# Altium PCB PCB-Tester-Board-V1.PcbDoc (part 6 of 7) (continued)
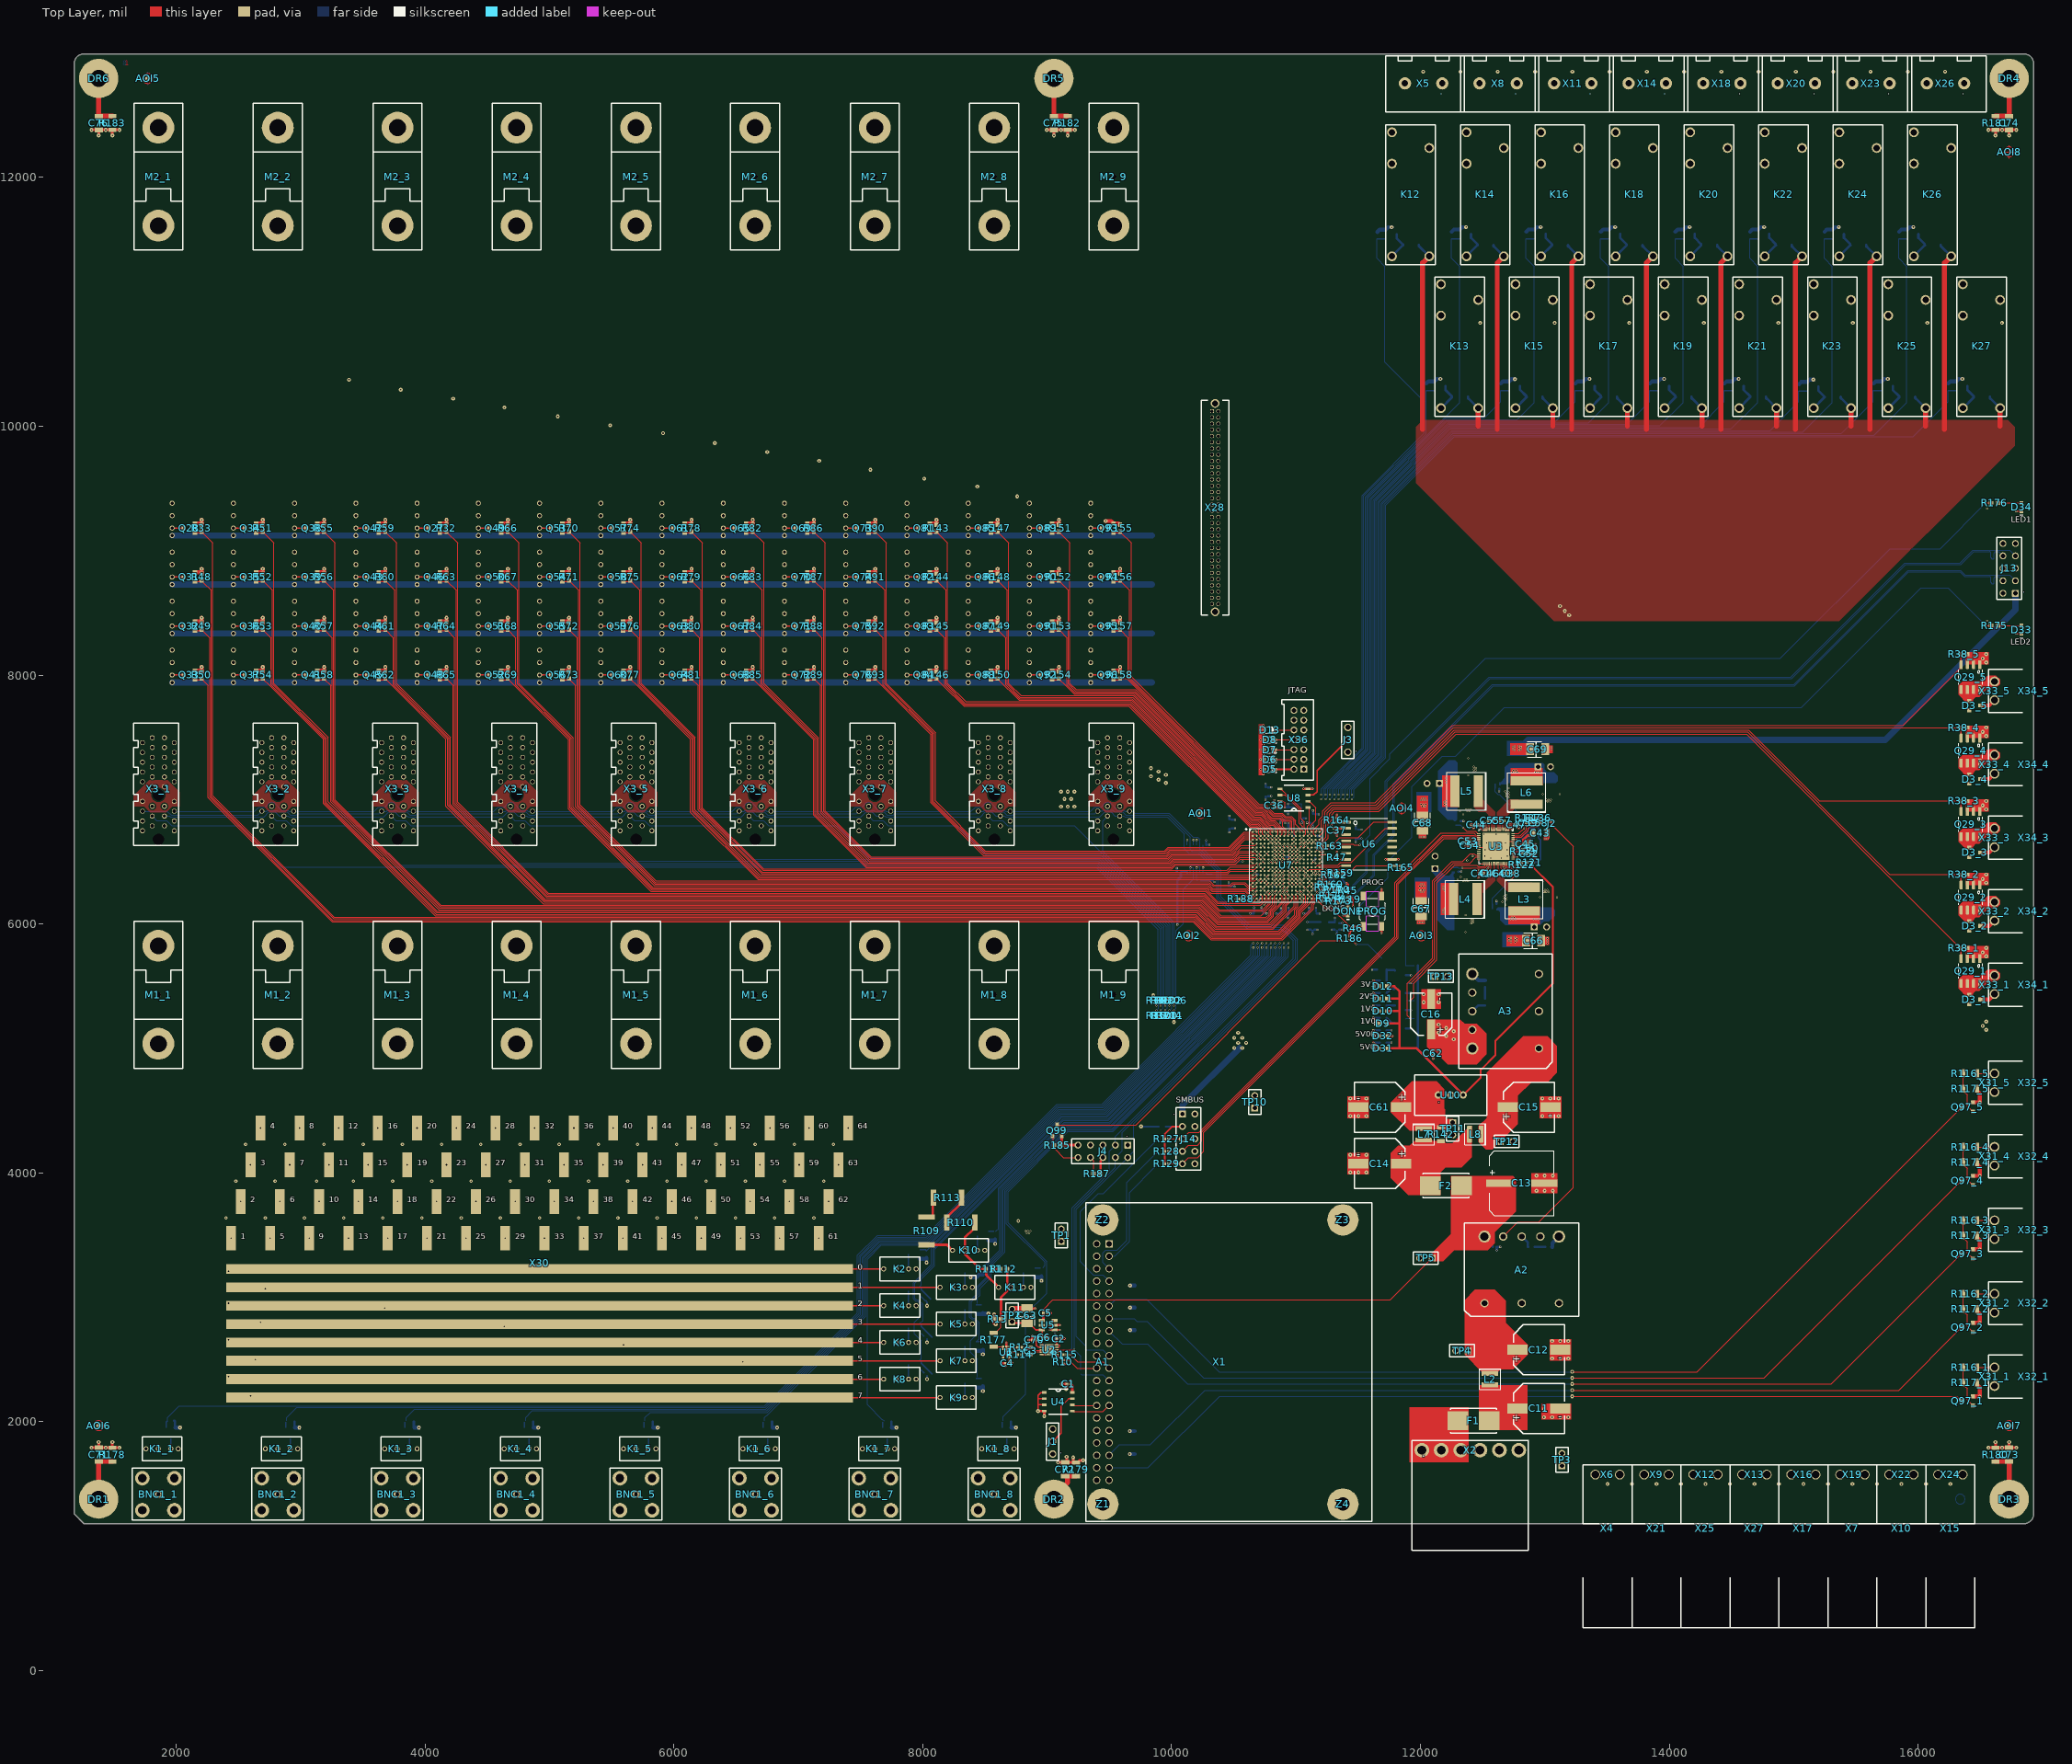
[diagram p0: Top Layer view]
## Nets (pads, with @x,y where several pads share a name; then routed paths per layer and width w, separated by ;. In a path a pad name is that pad's centre, name@x,y a point inside that pad or via, vN(x,y) a via of type N, cw(c..) or ccw(c..) an arc to the next point about the centre after c; other vN are vias at no path point) (continued)
  Inner3 w8: v2(3700.79,3474.41) 3700.79,4250.97 4101.71,4651.89 4101.71,7582.88 3815.52,7869.07 3815.52,9160.48 K44.3@3937.01,9281.97
NetK44_4: K44.4 X28.17 | length 6917.4
  Inner3 w8: K44.4@3937.01,9381.97 3987.06,9432.02 4745.19,10190.16 9681.4,10190.16 10150.1,9721.46 X28.17@10325.51,9721.46
NetK45_2: K45.2 Q46.3 | length 92.5
  Top Layer w10: K45.2@3937.01,8788.27 Q46.3@4029.53,8788.27
NetK45_3: K45.3 X30.18 | length 5420.9
  Inner4 w8: v2(3779.53,3769.68) 3779.53,4304.45 4119.57,4644.5 4119.57,7590.28 3833.38,7876.47 3833.38,8784.64 K45.3@3937.01,8888.27
NetK45_4: K45.4 X28.18 | length 7352.2
  Inner4 w5: 10301,9696.46 10350.51,9696.46 X28.18@10375.51,9721.46
  Inner4 w8: K45.4@3937.01,8988.27 4004.92,9056.18 4004.92,9424.62 4752.59,10172.3 9674,10172.3 10149.84,9696.46 10301,9696.46
NetK46_2: K46.2 Q47.3 | length 92.5
  Top Layer w10: K46.2@3937.01,8394.57 Q47.3@4029.53,8394.57
NetK46_3: K46.3 X30.19 | length 4699.3
  Inner3 w8: v2(3858.27,4064.96) 3858.27,4357.94 4137.43,4637.1 4137.43,7597.67 ; K46.3@3937.01,8494.57 3851.24,8408.8 3851.24,7883.87 4137.43,7597.68
NetK46_4: K46.4 X28.19 | length 7666.3
  Inner3 w8: K46.4@3937.01,8594.57 4022.78,8680.34 4022.78,9417.22 4759.99,10154.43 9666.6,10154.43 10149.58,9671.46 X28.19@10325.51,9671.46
NetK47_2: K47.2 Q48.3 | length 92.5
  Top Layer w10: K47.2@3937.01,8000.87 Q48.3@4029.53,8000.87
NetK47_3: K47.3 X30.20 | length 3977.7
  Inner4 w8: v2(3937.01,4360.24) 3937.01,4411.42 4155.29,4629.7 4155.29,7605.07 3869.1,7891.27 3869.1,8032.96 K47.3@3937.01,8100.87
NetK47_4: K47.4 X28.20 | length 8101.2
  Inner4 w5: 10301,9646.46 10350.51,9646.46 X28.20@10375.51,9671.46
  Inner4 w8: K47.4@3937.01,8200.87 4040.64,8304.5 4040.64,9409.82 4767.39,10136.57 9659.2,10136.57 10149.32,9646.46 10301,9646.46
NetK48_2: K48.2 Q49.3 | length 92.5
  Top Layer w10: K48.2@4429.13,9181.97 Q49.3@4521.65,9181.97
NetK48_3: K48.3 X30.21 | length 5978.8
  Inner3 w8: v2(4015.75,3474.41) 4015.75,4249.94 4307.64,4541.84 4307.64,9160.48 K48.3@4429.13,9281.97
NetK48_4: K48.4 X28.21 | length 6407.5
  Inner3 w8: K48.4@4429.13,9381.97 4479.18,9432.02 5165.88,10118.71 9651.81,10118.71 10149.06,9621.46 X28.21@10325.51,9621.46
NetK49_2: K49.2 Q50.3 | length 92.5
  Top Layer w10: K49.2@4429.13,8788.27 Q50.3@4521.65,8788.27
NetK49_3: K49.3 X30.22 | length 5257.2
  Inner4 w8: v2(4094.49,3769.68) 4094.49,4303.43 4325.5,4534.44 4325.5,8784.64 K49.3@4429.13,8888.27
NetK49_4: K49.4 X28.22 | length 6842.3
  Inner4 w5: 10301,9596.46 10350.51,9596.46 X28.22@10375.51,9621.46
  Inner4 w8: K49.4@4429.13,8988.27 4497.04,9056.18 4497.04,9424.62 5173.28,10100.85 9644.41,10100.85 10148.8,9596.46 10301,9596.46
NetK50_2: K50.2 Q51.3 | length 92.5
  Top Layer w10: K50.2@4429.13,8394.57 Q51.3@4521.65,8394.57
NetK50_3: K50.3 X30.23 | length 4535.6
  Inner3 w8: v2(4173.23,4064.96) 4173.23,4356.91 4343.36,4527.04 4343.36,8408.8 K50.3@4429.13,8494.57
NetK50_4: K50.4 X28.23 | length 7156.4
  Inner3 w8: K50.4@4429.13,8594.57 4514.9,8680.34 4514.9,9417.22 5180.67,10082.99 9637.01,10082.99 10148.55,9571.46 X28.23@10325.51,9571.46
NetK51_2: K51.2 Q52.3 | length 92.5
  Top Layer w10: K51.2@4429.13,8000.87 Q52.3@4521.65,8000.87
NetK51_3: K51.3 X30.24 | length 3814
  Inner4 w8: v2(4251.97,4360.24) 4251.97,4410.39 4361.22,4519.64 4361.23,8032.96 K51.3@4429.13,8100.87
NetK51_4: K51.4 X28.24 | length 7591.3
  Inner4 w5: 10301,9546.46 10350.51,9546.46 X28.24@10375.51,9571.46
  Inner4 w8: K51.4@4429.13,8200.87 4532.76,8304.5 4532.76,9409.82 5188.07,10065.13 9629.61,10065.13 10148.29,9546.46 10301,9546.46
NetK52_2: K52.2 Q53.3 | length 92.5
  Top Layer w10: K52.2@4921.26,9181.97 Q53.3@5013.78,9181.97
NetK52_3: K52.3 X30.25 | length 6052.2
  Inner3 w8: v2(4330.71,3474.41) 4330.71,4307.05 4452.32,4428.66 4452.32,7707.7 4799.77,8055.15 4799.77,9160.48 K52.3@4921.26,9281.97
NetK52_4: K52.4 X28.25 | length 5897.6
  Inner3 w8: K52.4@4921.26,9381.97 4971.31,9432.02 5586.56,10047.27 9622.21,10047.27 10148.03,9521.46 X28.25@10325.51,9521.46
NetK53_2: K53.2 Q54.3 | length 92.5
  Top Layer w10: K53.2@4921.26,8788.27 Q54.3@5013.78,8788.27
NetK53_3: K53.3 X30.26 | length 5330.6
  Inner4 w8: v2(4409.45,3769.68) 4409.45,4360.53 4470.18,4421.26 4470.18,7700.3 4817.63,8047.75 4817.63,8784.64 K53.3@4921.26,8888.27
NetK53_4: K53.4 X28.26 | length 6332.4
  Inner4 w5: 10301,9496.46 10350.51,9496.46 X28.26@10375.51,9521.46
  Inner4 w8: K53.4@4921.26,8988.27 4989.17,9056.18 4989.17,9424.62 5593.96,10029.41 9614.82,10029.41 10147.77,9496.46 10301,9496.46
NetK54_2: K54.2 Q55.3 | length 92.5
  Top Layer w10: K54.2@4921.26,8394.57 Q55.3@5013.78,8394.57
NetK54_3: K54.3 X30.27 | length 4609.1
  Inner3 w8: v2(4488.19,4064.96) 4488.04,4065.11 4488.04,7692.9 4835.49,8040.36 4835.49,8408.8 K54.3@4921.26,8494.57
NetK54_4: K54.4 X28.27 | length 6646.6
  Inner3 w8: K54.4@4921.26,8594.57 5007.03,8680.34 5007.03,9417.22 5601.36,10011.55 9607.42,10011.55 10147.51,9471.46 X28.27@10325.51,9471.46
NetK55_2: K55.2 Q56.3 | length 92.5
  Top Layer w10: K55.2@4921.26,8000.87 Q56.3@5013.78,8000.87
NetK55_3: K55.3 X30.28 | length 3938
  Inner4 w8: v2(4566.93,4360.24) 4505.9,4421.26 4505.9,4626.97 4505.9,7685.51 4853.35,8032.96 K55.3@4921.26,8100.87
NetK55_4: K55.4 X28.28 | length 7081.4
  Inner4 w5: 10301,9446.46 10350.51,9446.46 X28.28@10375.51,9471.46
  Inner4 w8: K55.4@4921.26,8200.87 5024.89,8304.5 5024.89,9409.82 5608.76,9993.69 9600.02,9993.69 10147.25,9446.46 10301,9446.46
NetK56_2: K56.2 Q57.3 | length 92.5
  Top Layer w10: K56.2@5413.39,9181.97 Q57.3@5505.91,9181.97
NetK56_3: K56.3 X30.29 | length 6125.6
  Inner3 w8: v2(4645.67,3474.41) 4645.67,4256.88 4989.17,4600.38 4989.17,7752.43 5291.9,8055.15 5291.9,9160.48 K56.3@5413.39,9281.97
NetK56_4: K56.4 X28.29 | length 5387.7
  Inner3 w8: K56.4@5413.39,9381.97 5463.43,9432.02 6007.25,9975.83 9592.62,9975.83 10146.99,9421.46 X28.29@10325.51,9421.46
NetK57_2: K57.2 Q58.3 | length 92.5
  Top Layer w10: K57.2@5413.39,8788.27 Q58.3@5505.91,8788.27
NetK57_3: K57.3 X30.30 | length 5404
  Inner4 w8: v2(4724.41,3769.68) 4724.41,4310.36 5007.03,4592.98 5007.03,7745.03 5309.76,8047.75 5309.76,8784.64 K57.3@5413.39,8888.27
NetK57_4: K57.4 X28.30 | length 5822.6
  Inner4 w5: 10301,9396.46 10350.51,9396.46 X28.30@10375.51,9421.46
  Inner4 w8: K57.4@5413.39,8988.27 5481.29,9056.18 5481.29,9424.62 6014.64,9957.97 9585.22,9957.97 10146.73,9396.46 10301,9396.46
NetK58_2: K58.2 Q59.3 | length 92.5
  Top Layer w10: K58.2@5413.39,8394.57 Q59.3@5505.91,8394.57
NetK58_3: K58.3 X30.31 | length 4682.4
  Inner3 w8: v2(4803.15,4064.96) 4803.15,4363.84 5024.89,4585.59 5024.89,7737.63 5327.62,8040.36 5327.62,8408.8 K58.3@5413.39,8494.57
NetK58_4: K58.4 X28.31 | length 6136.7
  Inner3 w8: K58.4@5413.39,8594.57 5499.16,8680.34 5499.16,9417.22 6022.04,9940.11 9577.83,9940.11 10146.48,9371.46 X28.31@10325.51,9371.46
NetK59_2: K59.2 Q60.3 | length 92.5
  Top Layer w10: K59.2@5413.39,8000.87 Q60.3@5505.91,8000.87
NetK59_3: K59.3 X30.32 | length 3960.8
  Inner4 w8: v2(4881.89,4360.24) 4881.89,4417.32 5042.75,4578.19 5042.75,7730.23 5345.48,8032.96 K59.3@5413.39,8100.87
NetK59_4: K59.4 X28.32 | length 6571.5
  Inner4 w5: 10301,9346.46 10350.51,9346.46 X28.32@10375.51,9371.46
  Inner4 w8: K59.4@5413.39,8200.87 5517.02,8304.5 5517.02,9409.82 6029.44,9922.25 9570.43,9922.25 10146.22,9346.46 10301,9346.46
NetK60_2: K60.2 Q61.3 | length 92.5
  Top Layer w10: K60.2@5905.51,9181.97 Q61.3@5998.03,9181.97
NetK60_3: K60.3 X30.33 | length 6198.9
  Inner3 w8: v2(4960.63,3474.41) 4960.63,4253.41 5143.27,4436.04 5143.27,7414.4 5784.02,8055.15 5784.02,9160.48 K60.3@5905.51,9281.97
NetK60_4: K60.4 X28.33 | length 4877.9
  Inner3 w8: K60.4@5905.51,9381.97 6427.93,9904.39 9563.03,9904.39 10145.96,9321.46 X28.33@10325.51,9321.46
NetK61_2: K61.2 Q62.3 | length 92.5
  Top Layer w10: K61.2@5905.51,8788.27 Q62.3@5998.03,8788.27
NetK61_3: K61.3 X30.34 | length 5477.4
  Inner4 w8: v2(5039.37,3769.68) 5039.37,4306.89 5161.13,4428.65 5161.13,7407 5801.88,8047.75 5801.88,8784.64 K61.3@5905.51,8888.27
NetK61_4: K61.4 X28.34 | length 5312.7
  Inner4 w5: 10301,9296.46 10350.51,9296.46 X28.34@10375.51,9321.46
  Inner4 w8: K61.4@5905.51,8988.27 5973.42,9056.18 5973.42,9424.62 6435.33,9886.53 9555.63,9886.53 10145.7,9296.46 10301,9296.46
NetK62_2: K62.2 Q63.3 | length 92.5
  Top Layer w10: K62.2@5905.51,8394.57 Q63.3@5998.03,8394.57
NetK62_3: K62.3 X30.35 | length 4755.8
  Inner3 w8: v2(5118.11,4064.96) 5118.11,4360.37 5178.99,4421.25 5178.99,7399.6 5819.74,8040.36 5819.74,8408.8 K62.3@5905.51,8494.57
NetK62_4: K62.4 X28.35 | length 5626.8
  Inner3 w8: K62.4@5905.51,8594.57 5991.28,8680.34 5991.28,9417.22 6442.73,9868.67 9548.23,9868.67 10145.44,9271.46 X28.35@10325.51,9271.46
NetK63_2: K63.2 Q64.3 | length 92.5
  Top Layer w10: K63.2@5905.51,8000.87 Q64.3@5998.03,8000.87
NetK63_3: K63.3 X30.36 | length 4034.2
  Inner4 w8: v2(5196.85,4360.24) 5196.85,4758.18 5196.85,7392.2 5837.6,8032.96 K63.3@5905.51,8100.87
NetK63_4: K63.4 X28.36 | length 6061.6
  Inner4 w5: 10301,9246.46 10350.51,9246.46 X28.36@10375.51,9271.46
  Inner4 w8: K63.4@5905.51,8200.87 6009.14,8304.5 6009.14,9409.82 6450.12,9850.81 9540.83,9850.81 10145.18,9246.46 10301,9246.46
NetK64_2: K64.2 Q65.3 | length 92.5
  Top Layer w10: K64.2@6397.64,9181.97 Q65.3@6490.16,9181.97
NetK64_3: K64.3 X30.37 | length 6272.3
  Inner3 w8: v2(5275.59,3474.41) 5275.59,4419.29 5336.47,4480.17 5336.47,5974.92 6039.83,6678.28 6039.83,7818.83 6276.15,8055.15 6276.15,9160.48 K64.3@6397.64,9281.97
NetK64_4: K64.4 X28.37 | length 4368
  Inner3 w8: K64.4@6397.64,9381.97 6848.61,9832.94 9533.44,9832.94 10144.92,9221.46 X28.37@10325.51,9221.46
NetK65_2: K65.2 Q66.3 | length 92.5
  Top Layer w10: K65.2@6397.64,8788.27 Q66.3@6490.16,8788.27
NetK65_3: K65.3 X30.38 | length 5550.7
  Inner4 w8: v2(5354.33,3769.68) 5354.33,5967.52 6057.69,6670.88 6057.69,7811.43 6294.01,8047.75 6294.01,8784.64 K65.3@6397.64,8888.27
NetK65_4: K65.4 X28.38 | length 4802.8
  Inner4 w5: 10301,9196.46 10350.51,9196.46 X28.38@10375.51,9221.46
  Inner4 w8: K65.4@6397.64,8988.27 6465.55,9056.18 6465.55,9424.62 6856.01,9815.08 9526.04,9815.08 10144.67,9196.46 10301,9196.46
NetK66_2: K66.2 Q67.3 | length 92.5
  Top Layer w10: K66.2@6397.64,8394.57 Q67.3@6490.16,8394.57
NetK66_3: K66.3 X30.39 | length 4879.6
  Inner3 w8: v2(5433.07,4064.96) 5433.07,4413.72 5372.19,4474.6 5372.19,5960.12 6075.55,6663.48 6075.55,7804.04 6311.87,8040.36 6311.87,8408.8 K66.3@6397.64,8494.57
NetK66_4: K66.4 X28.39 | length 5116.9
  Inner3 w8: K66.4@6397.64,8594.57 6483.41,8680.34 6483.41,9417.22 6863.41,9797.22 9518.64,9797.22 10144.41,9171.46 X28.39@10325.51,9171.46
NetK67_2: K67.2 Q68.3 | length 92.5
  Top Layer w10: K67.2@6397.64,8000.87 Q68.3@6490.16,8000.87
NetK67_3: K67.3 X30.40 | length 4208.4
  Inner4 w8: v2(5511.81,4360.24) 5390.05,4482 5390.05,5952.73 6093.41,6656.08 6093.41,7796.64 K67.3@6397.64,8100.87
NetK67_4: K67.4 X28.40 | length 5551.7
  Inner4 w5: 10301,9146.46 10350.51,9146.46 X28.40@10375.51,9171.46
  Inner4 w8: K67.4@6397.64,8200.87 6501.27,8304.5 6501.27,9409.82 6870.81,9779.36 9511.24,9779.36 10144.15,9146.46 10301,9146.46
NetK68_2: K68.2 Q69.3 | length 92.5
  Top Layer w10: K68.2@6889.76,9181.97 Q69.3@6982.28,9181.97
NetK68_3: K68.3 X30.41 | length 6345.7
  Inner3 w8: v2(5590.55,3474.41) 5590.55,4240.15 5991.25,4640.85 5991.25,6056.56 6224.37,6289.68 6224.37,7511.25 6768.27,8055.15 6768.27,9160.48 K68.3@6889.76,9281.97
NetK68_4: K68.4 X28.41 | length 3858.1
  Inner3 w8: K68.4@6889.76,9381.97 6939.81,9432.02 7269.3,9761.5 9503.84,9761.5 10143.89,9121.46 X28.41@10325.51,9121.46
NetK69_2: K69.2 Q70.3 | length 92.5
  Top Layer w10: K69.2@6889.76,8788.27 Q70.3@6982.28,8788.27
NetK69_3: K69.3 X30.42 | length 5624.1
  Inner4 w8: v2(5669.29,3769.68) 5669.29,4293.63 6009.11,4633.45 6009.11,6049.16 6242.23,6282.28 6242.23,7503.85 6786.13,8047.75 6786.13,8784.64 K69.3@6889.76,8888.27
NetK69_4: K69.4 X28.42 | length 4292.9
  Inner4 w5: 10301,9096.46 10350.51,9096.46 X28.42@10375.51,9121.46
  Inner4 w8: K69.4@6889.76,8988.27 6957.67,9056.18 6957.67,9424.62 7276.7,9743.64 9496.45,9743.64 10143.63,9096.46 10301,9096.46
NetK70_2: K70.2 Q71.3 | length 92.5
  Top Layer w10: K70.2@6889.76,8394.57 Q71.3@6982.28,8394.57
NetK70_3: K70.3 X30.43 | length 4902.5
  Inner3 w8: v2(5748.03,4064.96) 5748.03,4347.11 6026.97,4626.05 6026.97,6041.76 6260.09,6274.88 6260.09,7496.45 6803.99,8040.36 6803.99,8408.8 K70.3@6889.76,8494.57
NetK70_4: K70.4 X28.43 | length 4607
  Inner3 w8: K70.4@6889.76,8594.57 6975.53,8680.34 6975.53,9417.22 7284.09,9725.78 9489.05,9725.78 10143.37,9071.46 X28.43@10325.51,9071.46
NetK71_2: K71.2 Q72.3 | length 92.5
  Top Layer w10: K71.2@6889.76,8000.87 Q72.3@6982.28,8000.87
NetK71_3: K71.3 X30.44 | length 4180.9
  Inner4 w8: v2(5826.77,4360.24) 5826.77,4400.59 6044.84,4618.65 6044.84,6034.36 6277.95,6267.48 6277.95,7489.06 K71.3@6889.76,8100.87
NetK71_4: K71.4 X28.44 | length 5041.8
  Inner4 w5: 10301,9046.46 10350.51,9046.46 X28.44@10375.51,9071.46
  Inner4 w8: K71.4@6889.76,8200.87 6993.39,8304.5 6993.39,9409.82 7291.49,9707.92 9481.65,9707.92 10143.11,9046.46 10301,9046.46
NetK72_2: K72.2 Q73.3 | length 92.5
  Top Layer w10: K72.2@7381.89,9181.97 Q73.3@7474.41,9181.97
NetK72_3: K72.3 X30.45 | length 6419.1
  Inner3 w8: v2(5905.51,3474.41) 5905.51,4242.11 6150.48,4487.08 6150.48,5961.5 6933.74,6744.76 6933.74,7728.49 7260.4,8055.15 7260.4,9160.48 K72.3@7381.89,9281.97
NetK72_4: K72.4 X28.45 | length 3348.2
  Inner3 w8: K72.4@7381.89,9381.97 7689.98,9690.06 9474.25,9690.06 10142.86,9021.46 X28.45@10325.51,9021.46
NetK73_2: K73.2 Q74.3 | length 92.5
  Top Layer w10: K73.2@7381.89,8788.27 Q74.3@7474.41,8788.27
NetK73_3: K73.3 X30.46 | length 5697.5
  Inner4 w8: v2(5984.25,3769.68) 5984.25,4295.6 6168.34,4479.68 6168.34,5954.1 6951.6,6737.36 6951.6,7721.1 7278.26,8047.75 7278.26,8784.64 K73.3@7381.89,8888.27
NetK73_4: K73.4 X28.46 | length 3783
  Inner4 w5: 10301,8996.46 10350.51,8996.46 X28.46@10375.51,9021.46
  Inner4 w8: K73.4@7381.89,8988.27 7449.8,9056.18 7449.8,9424.62 7697.38,9672.2 9466.85,9672.2 10142.6,8996.46 10301,8996.46
NetK74_2: K74.2 Q75.3 | length 92.5
  Top Layer w10: K74.2@7381.89,8394.57 Q75.3@7474.41,8394.57
NetK74_3: K74.3 X30.47 | length 4975.9
  Inner3 w8: v2(6062.99,4064.96) 6062.99,4349.08 6186.2,4472.28 6186.2,5946.7 6969.46,6729.96 6969.46,7713.7 7296.12,8040.36 7296.12,8408.8 K74.3@7381.89,8494.57
NetK74_4: K74.4 X28.47 | length 4097.1
  Inner3 w8: K74.4@7381.89,8594.57 7467.66,8680.34 7467.66,9417.22 7704.78,9654.34 9459.46,9654.34 10142.34,8971.46 X28.47@10325.51,8971.46
NetK75_2: K75.2 Q76.3 | length 92.5
  Top Layer w10: K75.2@7381.89,8000.87 Q76.3@7474.41,8000.87
NetK75_3: K75.3 X30.48 | length 4254.3
  Inner4 w8: v2(6141.73,4360.24) 6141.73,4402.56 6204.06,4464.89 6204.06,5939.3 6987.32,6722.57 6987.32,7706.3 K75.3@7381.89,8100.87
NetK75_4: K75.4 X28.48 | length 4531.9
  Inner4 w5: 10301,8946.46 10350.51,8946.46 X28.48@10375.51,8971.46
  Inner4 w8: K75.4@7381.89,8200.87 7485.52,8304.5 7485.52,9409.82 7712.18,9636.48 9452.06,9636.48 10142.08,8946.46 10301,8946.46
NetK76_2: K76.2 Q81.3 | length 92.5
  Top Layer w10: K76.2@7874.02,9181.97 Q81.3@7966.54,9181.97
NetK76_3: K76.3 X30.49 | length 6492.5
  Inner3 w8: v2(6220.47,3474.41) 6220.47,4311.68 6342.23,4433.43 6342.23,5925.1 7075.78,6658.64 7075.78,7378.4 7541.01,7843.63 7752.53,8055.15 7752.53,9160.48 K76.3@7874.02,9281.97
NetK76_4: K76.4 X28.49 | length 2838.3
  Inner3 w8: K76.4@7874.02,9381.97 7924.06,9432.02 8110.67,9618.62 9444.66,9618.62 10141.82,8921.46 X28.49@10325.51,8921.46
NetK77_2: K77.2 Q82.3 | length 92.5
  Top Layer w10: K77.2@7874.02,8788.27 Q82.3@7966.54,8788.27
NetK77_3: K77.3 X30.50 | length 5770.9
  Inner4 w8: v2(6299.21,3769.68) 6299.21,4365.16 6360.09,4426.04 6360.09,5917.7 7093.64,6651.25 7093.64,7371.01 7548.4,7825.77 7770.39,8047.75 7770.39,8784.64 K77.3@7874.02,8888.27
NetK77_4: K77.4 X28.50 | length 3273.1
  Inner4 w5: 10301,8896.46 10350.51,8896.46 X28.50@10375.51,8921.46
  Inner4 w8: K77.4@7874.02,8988.27 7941.92,9056.18 7941.92,9424.62 8118.06,9600.76 9437.26,9600.76 10141.56,8896.46 10301,8896.46
NetK78_2: K78.2 Q83.3 | length 92.5
  Top Layer w10: K78.2@7874.02,8394.57 Q83.3@7966.54,8394.57
NetK78_3: K78.3 X30.51 | length 5049.3
  Inner3 w8: v2(6377.95,4064.96) 6377.95,5910.3 7111.5,6643.85 7111.5,7363.61 7555.8,7807.91 7788.25,8040.36 7788.25,8408.8 K78.3@7874.02,8494.57
NetK78_4: K78.4 X28.51 | length 3587.2
  Inner3 w8: K78.4@7874.02,8594.57 7959.78,8680.34 7959.78,9417.22 8125.46,9582.9 9429.86,9582.9 10141.3,8871.46 X28.51@10325.51,8871.46
NetK79_2: K79.2 Q84.3 | length 92.5
  Top Layer w10: K79.2@7874.02,8000.87 Q84.3@7966.54,8000.87
NetK79_3: K79.3 X30.52 | length 4378.1
  Inner4 w8: v2(6456.69,4360.24) 6395.81,4421.12 6395.81,5902.9 7129.36,6636.45 7129.36,7356.21 7806.11,8032.96 K79.3@7874.02,8100.87
NetK79_4: K79.4 X28.52 | length 4022
  Inner4 w5: 10301,8846.46 10350.51,8846.46 X28.52@10375.51,8871.46
  Inner4 w8: K79.4@7874.02,8200.87 7977.65,8304.5 7977.65,9409.82 8132.86,9565.04 9422.47,9565.04 10141.05,8846.46 10301,8846.46
NetK80_2: K80.2 Q85.3 | length 92.5
  Top Layer w10: K80.2@8366.14,9181.97 Q85.3@8458.66,9181.97
NetK80_3: K80.3 X30.53 | length 6565.9
  Inner3 w8: v2(6535.43,3474.41) 6535.43,4244.08 7010.59,4719.24 7010.59,5839.9 7962.32,6791.64 7962.32,7772.82 8244.65,8055.15 8244.65,9160.48 K80.3@8366.14,9281.97
NetK80_4: K80.4 X28.53 | length 2328.4
  Inner3 w8: K80.4@8366.14,9381.97 8416.19,9432.02 8531.35,9547.18 9415.07,9547.18 10140.79,8821.46 X28.53@10325.51,8821.46
NetK81_2: K81.2 Q86.3 | length 92.5
  Top Layer w10: K81.2@8366.14,8788.27 Q86.3@8458.66,8788.27
NetK81_3: K81.3 X30.54 | length 5844.3
  Inner4 w8: v2(6614.17,3769.68) 6614.17,4297.56 7028.45,4711.84 7028.45,5832.51 7980.18,6784.24 7980.18,7765.42 8262.51,8047.75 8262.51,8784.64 K81.3@8366.14,8888.27
NetK81_4: K81.4 X28.54 | length 2763.2
  Inner4 w5: 10301,8796.46 10350.51,8796.46 X28.54@10375.51,8821.46
  Inner4 w8: K81.4@8366.14,8988.27 8434.05,9056.18 8434.05,9424.62 8538.75,9529.32 9407.67,9529.32 10140.53,8796.46 10301,8796.46
NetK82_2: K82.2 Q87.3 | length 92.5
  Top Layer w10: K82.2@8366.14,8394.57 Q87.3@8458.66,8394.57
NetK82_3: K82.3 X30.55 | length 5122.7
  Inner3 w8: v2(6692.91,4064.96) 6692.91,4351.05 7046.31,4704.44 7046.31,5825.11 7998.04,6776.84 7998.04,7758.02 8280.37,8040.36 8280.37,8408.8 K82.3@8366.14,8494.57
NetK82_4: K82.4 X28.55 | length 3077.3
  Inner3 w8: K82.4@8366.14,8594.57 8451.91,8680.34 8451.91,9417.22 8546.15,9511.45 9400.27,9511.45 10140.27,8771.46 X28.55@10325.51,8771.46
NetK83_2: K83.2 Q88.3 | length 92.5
  Top Layer w10: K83.2@8366.14,8000.87 Q88.3@8458.66,8000.87
NetK83_3: K83.3 X30.56 | length 4401.1
  Inner4 w8: v2(6771.65,4360.24) 6771.65,4404.53 7064.17,4697.04 7064.17,5817.71 8015.9,6769.44 8015.9,7750.62 8298.23,8032.96 K83.3@8366.14,8100.87
NetK83_4: K83.4 X28.56 | length 3512.2
  Inner4 w5: 10301,8746.46 10350.51,8746.46 X28.56@10375.51,8771.46
  Inner4 w8: K83.4@8366.14,8200.87 8469.77,8304.5 8469.77,9409.82 8553.54,9493.59 9392.87,9493.59 10140.01,8746.46 10301,8746.46
NetK84_2: K84.2 Q89.3 | length 92.5
  Top Layer w10: K84.2@8858.27,9181.97 Q89.3@8950.79,9181.97
NetK84_3: K84.3 X30.57 | length 6639.2
  Inner3 w8: v2(6850.39,3474.41) 6850.39,4251.96 7183.55,4585.11 7183.55,5807.31 8138.33,6762.09 8138.33,7456.7 8736.78,8055.15 8736.78,9160.48 K84.3@8858.27,9281.97
NetK84_4: K84.4 X28.57 | length 1818.5
  Inner3 w8: K84.4@8858.27,9381.97 8952.03,9475.73 9385.48,9475.73 10139.75,8721.46 X28.57@10325.51,8721.46
NetK85_2: K85.2 Q90.3 | length 92.5
  Top Layer w10: K85.2@8858.27,8788.27 Q90.3@8950.79,8788.27
NetK85_3: K85.3 X30.58 | length 5917.7
  Inner4 w8: v2(6929.13,3769.68) 6929.13,4305.44 7201.41,4577.72 7201.41,5799.91 8156.19,6754.69 8156.19,7449.3 8754.64,8047.75 8754.64,8784.64 K85.3@8858.27,8888.27
NetK85_4: K85.4 X28.58 | length 2253.3
  Inner4 w5: 10301,8696.46 10350.51,8696.46 X28.58@10375.51,8721.46
  Inner4 w8: K85.4@8858.27,8988.27 8926.18,9056.18 8926.18,9424.62 8959.43,9457.87 9378.08,9457.87 10139.49,8696.46 10301,8696.46
NetK86_2: K86.2 Q91.3 | length 92.5
  Top Layer w10: K86.2@8858.27,8394.57 Q91.3@8950.79,8394.57
NetK86_3: K86.3 X30.59 | length 5196.1
  Inner3 w8: v2(7007.87,4064.96) 7007.87,4358.92 7219.27,4570.32 7219.27,5792.51 8174.05,6747.29 8174.05,7441.91 8772.5,8040.36 8772.5,8408.8 K86.3@8858.27,8494.57
NetK86_4: K86.4 X28.59 | length 2567.4
  Inner3 w8: K86.4@8858.27,8594.57 8944.04,8680.34 8944.04,9417.22 8966.83,9440.01 9370.68,9440.01 10139.23,8671.46 X28.59@10325.51,8671.46
NetK87_2: K87.2 Q92.3 | length 92.5
  Top Layer w10: K87.2@8858.27,8000.87 Q92.3@8950.79,8000.87
NetK87_3: K87.3 X30.60 | length 4474.5
  Inner4 w8: v2(7086.61,4360.24) 7086.61,4412.4 7237.13,4562.92 7237.13,5785.12 8191.91,6739.89 8191.91,7434.51 8790.36,8032.96 K87.3@8858.27,8100.87
NetK87_4: K87.4 X28.60 | length 3002.3
  Inner4 w5: 10301,8646.46 10350.51,8646.46 X28.60@10375.51,8671.46
  Inner4 w8: K87.4@8858.27,8200.87 8961.9,8304.5 8961.9,9409.82 8974.23,9422.15 9363.28,9422.15 10138.98,8646.46 10301,8646.46
NetK88_2: K88.2 Q93.3 | length 92.5
  Top Layer w10: K88.2@9350.39,9181.97 Q93.3@9442.91,9181.97
NetK88_3: K88.3 X30.61 | length 6712.6
  Inner3 w8: v2(7165.35,3474.41) 7165.35,4249.65 8036.74,5121.03 8036.74,5818.14 8991.38,6772.77 8991.38,7817.62 9228.9,8055.15 9228.9,9160.48 K88.3@9350.39,9281.97
NetK88_4: K88.4 X28.61 | length 1290.1
  Inner3 w8: K88.4@9350.39,9381.97 9378.21,9381.97 10138.72,8621.46 X28.61@10325.51,8621.46
NetK89_2: K89.2 Q94.3 | length 92.5
  Top Layer w10: K89.2@9350.39,8788.27 Q94.3@9442.91,8788.27
NetK89_3: K89.3 X30.62 | length 5991
  Inner4 w8: v2(7244.09,3769.68) 7244.09,4303.13 8054.6,5113.64 8054.6,5810.74 9009.24,6765.37 9009.24,7810.23 9246.76,8047.75 9246.76,8784.64 K89.3@9350.39,8888.27
NetK89_4: K89.4 X28.62 | length 1197.8
  Inner4 w5: 10301,8596.46 10350.51,8596.46 X28.62@10375.51,8621.46
  Inner4 w8: K89.4@9350.39,8988.27 9746.65,8988.27 10138.46,8596.46 10301,8596.46
NetK90_2: K90.2 Q95.3 | length 92.5
  Top Layer w10: K90.2@9350.39,8394.57 Q95.3@9442.91,8394.57
NetK90_3: K90.3 X30.63 | length 5269.4
  Inner3 w8: v2(7322.83,4064.96) 7322.83,4356.61 8070.87,5104.64 8070.87,5801.74 9027.1,6757.97 9027.1,7802.83 9264.62,8040.36 9264.62,8408.8 K90.3@9350.39,8494.57
NetK90_4: K90.4 X28.63 | length 984.7
  Inner3 w8: K90.4@9350.39,8594.57 9373.5,8571.46 X28.63@10325.51,8571.46
NetK91_2: K91.2 Q96.3 | length 92.5
  Top Layer w10: K91.2@9350.39,8000.87 Q96.3@9442.91,8000.87
NetK91_3: K91.3 X30.64 | length 4547.9
  Inner4 w8: v2(7401.57,4360.24) 7401.57,4410.09 8090.32,5098.84 8090.32,5795.94 9044.96,6750.58 9044.96,7795.43 K91.3@9350.39,8100.87
NetK91_4: K91.4 X28.64 | length 1291.3
  Inner4 w8: K91.4@9350.39,8200.87 10142.87,8200.87 10414,8472 10414,8532.97 X28.64@10375.51,8571.46
NetPROG_1: PROG.1 R46.1 U7.P9 | length 825.8
  Top Layer w6: v1(10889.76,6314.96) U7.P9@10905.51,6330.71 ; v1(11270.79,6141.73) 11432.2,5980.31 R46.1@11460.63,5980.31
  Top Layer w10: R46.1@11460.63,5980.31 PROG.1@11541.34,5980.31
  Inner2 w6: v1(10889.76,6314.96) 10923.56,6314.96 10958.17,6280.35 11048.74,6280.35 11066.12,6262.98 11066.12,6240.15 11103.06,6203.2 11144.8,6203.2 11206.27,6141.73 v1(11270.79,6141.73)
NetPROG_2: PROG.2
NetQ30_3: Q30.3 R99.1 | length 87.1
  Bottom Layer w18.5: R99.1@11727.03,5245.47 11733.53,5238.98 11736.02,5238.98 11768.5,5206.5 11788.78,5206.5 Q30.3@11795.28,5200
NetQ78_3: Q78.3 R101.1 | length 68.4
  Bottom Layer w18.5: R101.1@11727.03,5345.47 11727.49,5345.01 Q78.3@11795.28,5345.01
NetQ79_3: Q79.3 R103.1 | length 84.3
  Bottom Layer w18.5: R103.1@11727.03,5445.47 11733.53,5451.97 11736.09,5451.97 11763.97,5479.85 11790.87,5479.85 Q79.3@11795.28,5484.25
NetQ80_3: Q80.3 Q98.1 R105.1 | length 159.9
  Bottom Layer w18.5: R105.1@11727.03,5545.47 11727.03,5625.98 Q98.1@11727.03,5633.86 11732.42,5628.47 11792.79,5628.47 Q80.3@11795.28,5625.98
NetQ97_1_1: Q97_1.1 R116_1.2 R117_1.2 | length 341.1
  Top Layer w6: R116_1.2@16362.2,2437.2 R117_1.2@16362.2,2315.04 16375.94,2301.31 16375.94,2285.32 16394.81,2266.44 16394.81,2174.08 16438.98,2129.92 Q97_1.1@16440.94,2129.92
NetQ97_2_1: Q97_2.1 R116_2.2 R117_2.2 | length 339.1
  Top Layer w6: R116_2.2@16362.2,3027.76 R117_2.2@16362.2,2905.59 16375.94,2891.86 16375.94,2875.87 16394.81,2856.99 16394.81,2764.63 Q97_2.1@16438.98,2720.47
NetQ97_3_1: Q97_3.1 R116_3.2 R117_3.2 | length 339.1
  Top Layer w6: R116_3.2@16362.2,3618.31 R117_3.2@16362.2,3496.15 16375.94,3482.41 16375.94,3466.42 16394.81,3447.54 16394.81,3355.19 Q97_3.1@16438.98,3311.02
NetQ97_4_1: Q97_4.1 R116_4.2 R117_4.2 | length 339.1
  Top Layer w6: R116_4.2@16362.2,4208.86 R117_4.2@16362.2,4086.7 16375.94,4072.96 16375.94,4056.97 16394.81,4038.09 16394.81,3945.74 Q97_4.1@16438.98,3901.57
NetQ97_5_1: Q97_5.1 R116_5.2 R117_5.2 | length 339.1
  Top Layer w6: R116_5.2@16362.2,4799.41 R117_5.2@16362.2,4677.25 16375.94,4663.52 16375.94,4647.52 16394.81,4628.65 16394.81,4536.29 Q97_5.1@16438.98,4492.13
NetR12_2: R12.2 U1.1 U1.4 | length 168.1
  Top Layer w5: U1.1@8696.85,2594.49 8763.05,2594.49 R12.2@8765.24,2596.68
  Top Layer w6: U1.4@8645.67,2523.62 8645.67,2528.44 8651.92,2534.69 8663.38,2534.69 8696.85,2568.16 U1.1@8696.85,2594.49
NetR39_1: R39.1 R40.2 | length 82.7
  Bottom Layer w20: R39.1@12921.26,3405.51 R40.2@13003.94,3405.51
NetR41_1: R41.1 R42.2 | length 90.6
  Bottom Layer w20: R41.1@12519.68,5401.57 R42.2@12519.68,5492.13
NetR43_1: R43.1 Y1.3 | length 55.3
  Bottom Layer w6: Y1.3@10983.27,6848.43 10983.64,6848.06 R43.1@10983.64,6793.31
NetR44_1: R44.1 U7.P7 | length 51.5
  Top Layer w6: v1(10826.77,6314.96) U7.P7@10842.52,6330.71
  Bottom Layer w8: v1(10826.77,6314.96) 10826.77,6291.34 R44.1@10830.71,6287.4
NetR45_1: R45.1 R119.1 U7.P10 | length 784.8
  Top Layer w6: U7.P10@10937.01,6330.71 v1(10952.76,6314.96)
  Top Layer w10: R45.1@11417.32,6251.97 R119.1@11417.32,6216.54 11444.88,6216.54 11460.63,6200.79 v1(11460.63,6141.73)
  Inner2 w6: v1(10952.76,6314.96) 10974.21,6293.51 11057.29,6293.51 11065.66,6301.88 11092.36,6301.88 11129.89,6264.36 11129.89,6238.17 11203.37,6164.69 11280.19,6164.69 11322.83,6122.05 11440.95,6122.05 v1(11460.63,6141.73)
NetR47_1: R47.1 U6.7 U7.L13 | length 438.3
  Top Layer w6: U7.L13@11031.5,6425.2 v1(11047.24,6440.94) ; v1(11263.78,6519.69) R47.1@11330.71,6519.69 11331.39,6519 U6.7@11403.55,6519
  Inner2 w6: v1(11047.24,6440.94) 11069.9,6463.6 11253.44,6463.6 11263.78,6473.93 v1(11263.78,6519.69)
NetR94_1: R94.1 R95.2 U3.41 | length 526.8
  Top Layer w6: U3.41@12694.99,6486.11 12694.99,6468.55 12701.43,6462.11 12754.55,6462.11 12784,6432.66 12784,6394.6 12771.85,6382.45 12755.53,6382.45 v1(12731.3,6358.22)
  Bottom Layer w6: R95.2@12580.04,6160.69 12580.04,6206.96 v1(12731.3,6358.22)
  Bottom Layer w10: R94.1@12580.04,6121.31 R95.2@12580.04,6160.69
NetR96_1: R96.1 R97.2 U3.31 | length 299.4
  Top Layer w6: v1(12335.76,6451) 12520,6451 12537.31,6468.31 12537.31,6486.13 U3.31@12537.4,6486.22
  Bottom Layer w6: R97.2@12303.15,6452.76 12304.91,6451 v1(12335.76,6451)
  Bottom Layer w10: R96.1@12263.78,6452.76 R97.2@12303.15,6452.76
NetR107_2: R107.2 X1.19 | length 217.1
  Bottom Layer w6: R107.2@9303.15,2582.68 9307.09,2578.74 9450.14,2578.74 X1.19@9498.57,2530.32
NetR108_2: R108.2 X1.23 | length 249.6
  Bottom Layer w6: R108.2@9271.65,2385.04 9277.95,2378.74 9450.14,2378.74 X1.23@9498.57,2330.32
NetR109_1: R109.1 R113.2 | length 198.2
  Top Layer w20: R109.1@8031.5,3645.67 8068.77,3645.67 8080.43,3657.32 8080.43,3793.02 R113.2@8086.61,3799.21
NetR110_1: R110.1 R113.1 | length 248.4
  Top Layer w20: R110.1@8194.88,3602.36 8194.88,3645.67 8206.54,3657.32 8209.98,3657.32 8296.91,3744.25 8299.37,3744.25 8311.02,3755.91 R113.1@8311.02,3799.21
NetR111_1: R111.1 R112.1 | length 63
  Top Layer w20: R111.1@8561.02,3228.35 R112.1@8624.02,3228.35
NetR115_1: R115.1 U2.7 | length 61.3
  Top Layer w6: U2.7@9074.8,2559.06 9108.27,2559.06 R115.1@9127.95,2539.37